# KiCad board conceptpcb.kicad_pcb (continued)
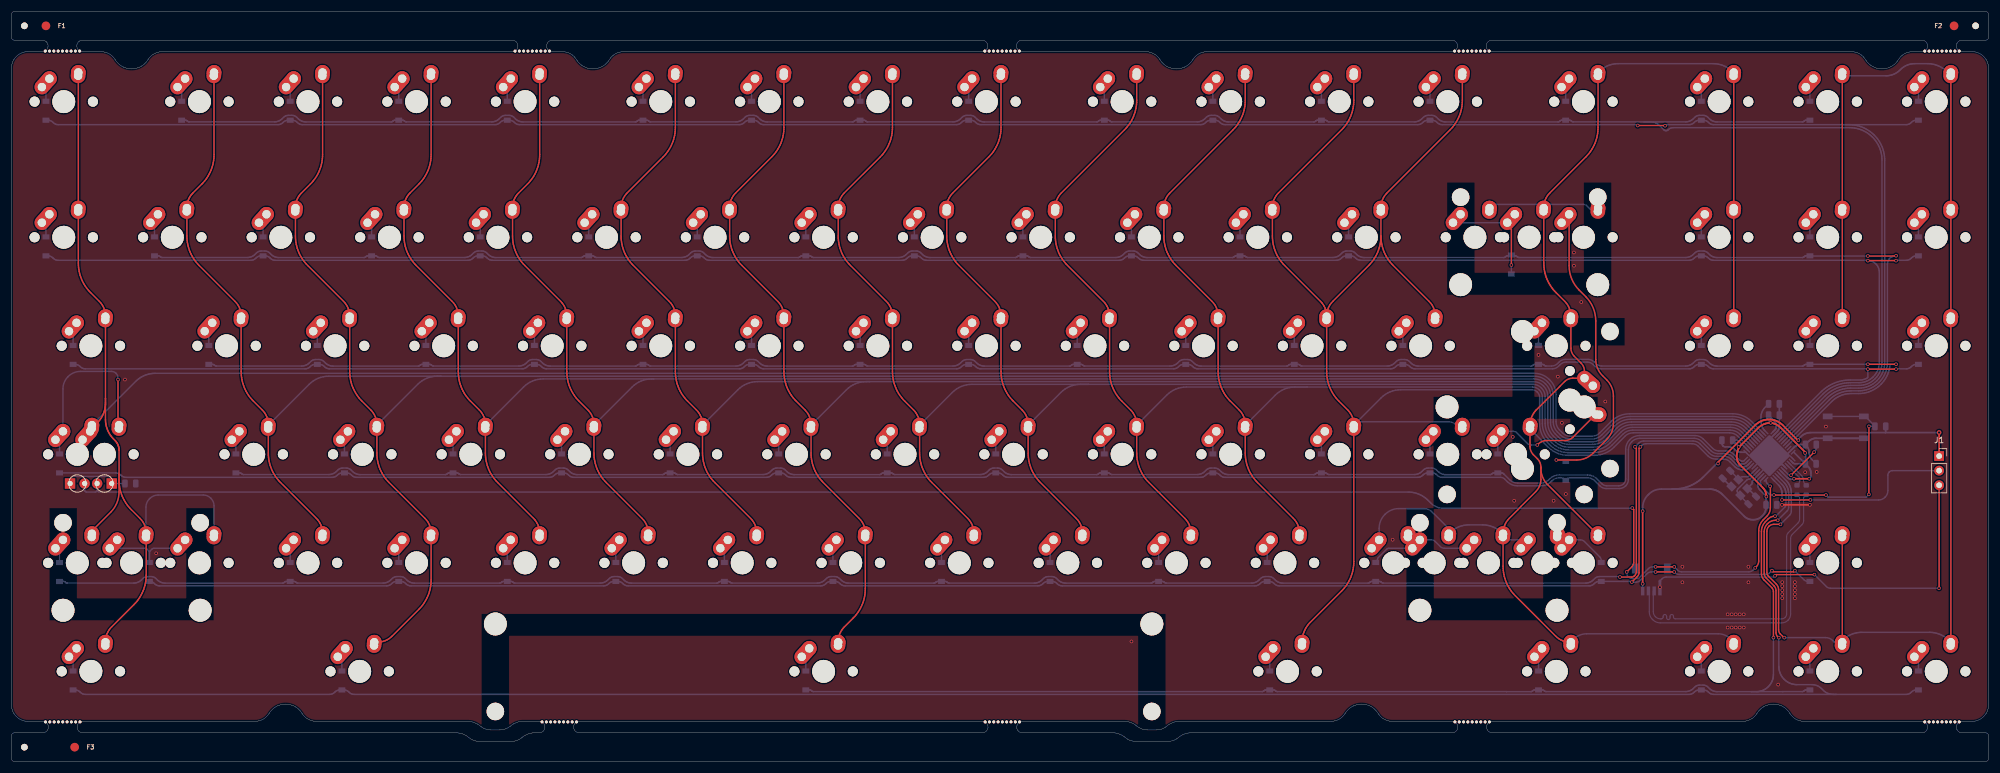
[diagram p0: board, top side]
## Routing (per net, layer and track width the routed paths; a pad name or vN(x,y) marks a point on that pad's centre or on a via; arc(x,y) is an arc through that point) (continued)
row5: length 325.6
  Top w0.25: v1(323.22,69.19) v1(328.13,69.19)
  Bottom w0.25: v1(323.22,69.19) 313.15,69.19 ; v1(328.13,69.19) 327.09,69.19 327.05,68.84 326.99,68.49 326.91,68.14 326.8,67.8 326.68,67.47 326.53,67.14 326.36,66.83 326.18,66.53 325.97,66.24 325.74,65.97 325.5,65.71 325.47,65.67 325.21,65.43 324.94,65.21 324.65,65 324.35,64.81 324.03,64.64 323.71,64.5 323.38,64.37 323.04,64.27 322.69,64.19 322.34,64.13 321.98,64.1 321.63,64.08 320.31,64.08 320.07,64.08 319.83,64.06 319.6,64.03 319.36,63.99 319.13,63.94 318.9,63.88 318.68,63.8 318.46,63.72 318.24,63.62 318.03,63.51 317.82,63.4 317.62,63.27 317.43,63.13 317.24,62.99 317.06,62.83 316.89,62.67 U1.41 ; D51.1 312.48,69.17 312.38,69.16 312.29,69.13 312.21,69.08 312.13,69.02 312.12,69.01 312.04,68.95 311.96,68.9 311.87,68.87 311.78,68.87 296.98,68.87 296.79,68.87 296.6,68.9 296.41,68.95 296.24,69.01 296.07,69.09 295.9,69.19 295.75,69.3 295.61,69.43 295.38,69.66 295.2,69.81 294.99,69.92 294.77,69.99 294.53,70.01 293.92,70.01 293.69,69.99 293.46,69.92 293.25,69.81 293.07,69.66 292.85,69.44 292.71,69.31 292.56,69.2 292.4,69.1 292.22,69.02 292.05,68.96 291.86,68.91 291.67,68.88 291.49,68.88 276.9,68.88 arc(276.33,68.99) 275.84,69.31 275.56,69.6 arc(275.07,69.92) 274.5,70.04 270.54,70.04 arc(269.97,69.92) 269.48,69.6 269.2,69.31 arc(268.71,68.99) 268.14,68.88 267.22,68.88 267.12,68.88 267.03,68.91 266.95,68.96 266.87,69.02 266.87,69.02 266.79,69.08 266.71,69.13 266.62,69.16 266.53,69.17 D49.1 265.23,69.17 265.13,69.16 265.04,69.13 264.96,69.08 264.88,69.02 264.87,69.01 264.79,68.95 264.71,68.9 264.62,68.87 264.53,68.87 245,68.87 244.81,68.87 244.62,68.9 244.44,68.95 244.26,69.01 244.09,69.09 243.93,69.19 243.78,69.3 243.63,69.43 243.41,69.66 243.23,69.81 243.02,69.92 242.79,69.99 242.56,70.01 241.95,70.01 241.71,69.99 241.48,69.92 241.28,69.81 241.09,69.66 240.88,69.44 240.74,69.31 240.58,69.2 240.42,69.1 240.25,69.02 240.07,68.96 239.89,68.91 239.7,68.88 239.51,68.88 224.69,68.88 224.6,68.88 224.51,68.91 224.42,68.96 224.35,69.02 224.34,69.02 224.27,69.08 224.19,69.13 224.09,69.16 224,69.17 D47.1 222.7,69.17 222.61,69.16 222.52,69.13 222.43,69.08 222.36,69.02 222.34,69.01 222.27,68.95 222.19,68.9 222.09,68.87 222,68.87 207.2,68.87 207.01,68.87 206.82,68.9 206.64,68.95 206.46,69.01 206.29,69.09 206.13,69.19 205.98,69.3 205.83,69.43 205.61,69.66 205.43,69.81 205.22,69.92 204.99,69.99 204.76,70.01 204.15,70.01 203.91,69.99 203.68,69.92 203.48,69.81 203.29,69.66 203.08,69.44 202.94,69.31 202.78,69.2 202.62,69.1 202.45,69.02 202.27,68.96 202.09,68.91 201.9,68.88 201.71,68.88 186.89,68.88 186.8,68.88 186.71,68.91 186.62,68.96 186.55,69.02 186.54,69.02 186.47,69.08 186.39,69.13 186.29,69.16 186.2,69.17 D45.1 184.9,69.17 184.81,69.16 184.72,69.13 184.63,69.08 184.56,69.02 184.54,69.01 184.47,68.95 184.39,68.9 184.29,68.87 184.2,68.87 169.4,68.87 169.21,68.87 169.02,68.9 168.84,68.95 168.66,69.01 168.49,69.09 168.33,69.19 168.18,69.3 168.03,69.43 167.81,69.66 167.63,69.81 167.42,69.92 167.19,69.99 166.96,70.01 166.35,70.01 166.11,69.99 165.88,69.92 165.68,69.81 165.49,69.66 165.28,69.44 165.14,69.31 164.98,69.2 164.82,69.1 164.65,69.02 164.47,68.96 164.29,68.91 164.1,68.88 163.91,68.88 149.09,68.88 149,68.88 148.91,68.91 148.82,68.96 148.75,69.02 148.74,69.02 148.67,69.08 148.59,69.13 148.49,69.16 148.4,69.17 D43.1 147.1,69.17 147.01,69.16 146.92,69.13 146.83,69.08 146.76,69.02 146.74,69.01 146.67,68.95 146.59,68.9 146.49,68.87 146.4,68.87 131.6,68.87 131.41,68.87 131.22,68.9 131.04,68.95 130.86,69.01 130.69,69.09 130.53,69.19 130.38,69.3 130.23,69.43 130.01,69.66 129.83,69.81 129.62,69.92 129.39,69.99 129.16,70.01 128.55,70.01 128.31,69.99 128.08,69.92 127.88,69.81 127.69,69.66 127.48,69.44 127.34,69.31 127.18,69.2 127.02,69.1 126.85,69.02 126.67,68.96 126.49,68.91 126.3,68.88 126.11,68.88 111.29,68.88 111.2,68.88 111.11,68.91 111.02,68.96 110.95,69.02 110.94,69.02 110.87,69.08 110.79,69.13 110.69,69.16 110.6,69.17 D41.1 109.3,69.17 109.21,69.16 109.12,69.13 109.03,69.08 108.96,69.02 108.94,69.01 108.87,68.95 108.79,68.9 108.69,68.87 108.6,68.87 93.8,68.87 93.61,68.87 93.42,68.9 93.24,68.95 93.06,69.01 92.89,69.09 92.73,69.19 92.58,69.3 92.43,69.43 92.21,69.66 92.03,69.81 91.82,69.92 91.59,69.99 91.36,70.01 90.75,70.01 90.51,69.99 90.28,69.92 90.08,69.81 89.89,69.66 89.68,69.44 89.54,69.31 89.38,69.2 89.22,69.1 89.05,69.02 88.87,68.96 88.69,68.91 88.5,68.88 88.31,68.88 73.49,68.88 73.4,68.88 73.31,68.91 73.22,68.96 73.15,69.02 73.14,69.02 73.07,69.08 72.99,69.13 72.89,69.16 72.8,69.17 D39.1 71.5,69.17 71.41,69.16 71.32,69.13 71.23,69.08 71.16,69.02 71.14,69.01 71.07,68.95 70.99,68.9 70.89,68.87 70.8,68.87 56,68.87 55.81,68.87 55.62,68.9 55.44,68.95 55.26,69.01 55.09,69.09 54.93,69.19 54.78,69.3 54.63,69.43 54.41,69.66 54.23,69.81 54.02,69.92 53.79,69.99 53.56,70.01 52.95,70.01 52.71,69.99 52.48,69.92 52.28,69.81 52.09,69.66 51.88,69.44 51.74,69.31 51.58,69.2 51.42,69.1 51.25,69.02 51.07,68.96 50.89,68.91 50.7,68.88 50.51,68.88 35.69,68.88 35.6,68.88 35.51,68.91 35.42,68.96 35.35,69.02 35.34,69.02 35.27,69.08 35.19,69.13 35.09,69.16 35,69.17 D37.1
row6: length 302.8
  Bottom w0.25: 208.83,50.27 208.59,50.24 208.36,50.17 208.15,50.06 207.97,49.91 207.9,49.84 207.72,49.69 207.51,49.58 207.29,49.51 207.05,49.49 173.5,49.49 173.27,49.51 173.04,49.58 172.83,49.69 172.65,49.84 172.58,49.91 172.4,50.06 172.19,50.17 171.96,50.24 171.73,50.27 ; 133.23,50.27 132.99,50.24 132.76,50.17 132.55,50.06 132.37,49.91 132.3,49.84 132.12,49.69 131.91,49.58 131.69,49.51 131.45,49.49 97.9,49.49 97.67,49.51 97.44,49.58 97.23,49.69 97.05,49.84 96.98,49.91 96.8,50.06 96.59,50.17 96.36,50.24 96.13,50.27 ; D53.1 18.16,50.27 18.4,50.24 18.63,50.17 18.83,50.06 19.02,49.91 19.08,49.84 19.27,49.69 19.48,49.58 19.7,49.51 19.94,49.49 55.85,49.49 56.09,49.51 56.31,49.58 56.52,49.69 56.7,49.84 56.77,49.91 56.95,50.06 57.16,50.17 57.39,50.24 57.63,50.27 ; 246.63,50.27 246.39,50.24 246.16,50.17 245.95,50.06 245.77,49.91 245.7,49.84 245.52,49.69 245.31,49.58 245.09,49.51 244.85,49.49 211.3,49.49 211.07,49.51 210.84,49.58 210.63,49.69 210.45,49.84 210.38,49.91 210.2,50.06 209.99,50.17 209.76,50.24 209.53,50.27 ; 133.93,50.27 134.16,50.24 134.39,50.17 134.6,50.06 134.78,49.91 134.85,49.84 135.03,49.69 135.24,49.58 135.47,49.51 135.7,49.49 169.25,49.49 169.49,49.51 169.71,49.58 169.92,49.69 170.1,49.84 170.17,49.91 170.35,50.06 170.56,50.17 170.79,50.24 171.03,50.27 ; 247.33,50.27 247.56,50.24 247.79,50.17 248,50.06 248.18,49.91 248.25,49.84 248.43,49.69 248.64,49.58 248.87,49.51 249.1,49.49 259.27,49.49 arc(259.65,49.41) 259.98,49.2 260.46,48.72 arc(261.24,48.2) 262.16,48.01 266.32,48.01 arc(267.24,48.2) 268.02,48.72 268.15,48.85 arc(268.8,49.28) 269.57,49.44 269.75,49.44 arc(270.13,49.36) 270.46,49.14 ; U1.21 302.06,52.08 301.91,51.96 301.75,51.87 301.57,51.82 301.38,51.8 301.32,51.8 301.13,51.82 300.95,51.87 300.78,51.96 300.63,52.08 299.64,53.08 arc(299.04,53.48) 298.33,53.62 297.1,53.62 arc(296.45,53.75) 295.9,54.12 294.27,55.75 arc(293.67,56.15) 292.96,56.29 283.53,56.29 arc(282.76,56.14) 282.11,55.7 282.11,55.7 arc(281.67,55.05) 281.52,54.28 281.52,49.11 arc(281.41,48.54) 281.08,48.05 281.02,47.98 arc(280.53,47.66) 279.95,47.54 277.65,47.54 arc(277.07,47.66) 276.59,47.98 275.72,48.85 arc(275.07,49.28) 274.3,49.44 271.51,49.44 arc(271.13,49.36) 270.81,49.14 ; 58.33,50.27 58.56,50.24 58.79,50.17 59,50.06 59.18,49.91 59.25,49.84 59.43,49.69 59.64,49.58 59.87,49.51 60.1,49.49 93.65,49.49 93.89,49.51 94.11,49.58 94.32,49.69 94.5,49.84 94.57,49.91 94.75,50.06 94.96,50.17 95.19,50.24 95.43,50.27
row7: length 277.9
  Bottom w0.25: D54.1 39.73,50.27 39.82,50.26 39.91,50.23 39.99,50.18 40.07,50.12 40.07,50.12 40.15,50.06 40.23,50.01 40.32,49.98 40.42,49.97 55.23,49.97 55.42,49.98 55.61,50.01 55.8,50.06 55.97,50.12 56.15,50.2 56.31,50.3 56.46,50.41 56.6,50.54 56.82,50.76 57,50.91 57.21,51.02 57.44,51.09 57.67,51.11 58.28,51.11 58.52,51.09 58.74,51.02 58.95,50.91 59.13,50.76 59.36,50.53 59.5,50.4 59.65,50.29 59.82,50.19 59.99,50.11 60.16,50.05 60.35,50 60.54,49.97 60.73,49.97 75.53,49.97 75.62,49.97 75.71,50 75.79,50.05 75.87,50.11 75.88,50.12 75.96,50.18 76.04,50.23 76.13,50.26 76.23,50.27 D56.1 77.53,50.27 77.62,50.26 77.71,50.23 77.79,50.18 77.87,50.12 77.87,50.12 77.95,50.06 78.03,50.01 78.12,49.98 78.22,49.97 93.03,49.97 93.22,49.98 93.41,50.01 93.6,50.06 93.77,50.12 93.95,50.2 94.11,50.3 94.26,50.41 94.4,50.54 94.62,50.76 94.8,50.91 95.01,51.02 95.24,51.09 95.47,51.11 96.08,51.11 96.32,51.09 96.54,51.02 96.75,50.91 96.93,50.76 97.16,50.53 97.3,50.4 97.45,50.29 97.62,50.19 97.79,50.11 97.96,50.05 98.15,50 98.34,49.97 98.53,49.97 113.33,49.97 113.42,49.97 113.51,50 113.59,50.05 113.67,50.11 113.68,50.12 113.76,50.18 113.84,50.23 113.93,50.26 114.03,50.27 D58.1 115.33,50.27 115.42,50.26 115.51,50.23 115.59,50.18 115.67,50.12 115.67,50.12 115.75,50.06 115.83,50.01 115.92,49.98 116.02,49.97 130.84,49.97 131.02,49.98 131.21,50.01 131.4,50.06 131.57,50.12 131.75,50.2 131.91,50.3 132.06,50.41 132.2,50.54 132.42,50.76 132.6,50.91 132.81,51.02 133.04,51.09 133.27,51.11 133.88,51.11 134.12,51.09 134.34,51.02 134.55,50.91 134.73,50.76 134.96,50.53 135.1,50.4 135.25,50.29 135.42,50.19 135.59,50.11 135.76,50.05 135.95,50 136.14,49.97 136.33,49.97 151.13,49.97 151.22,49.97 151.31,50 151.39,50.05 151.47,50.11 151.48,50.12 151.56,50.18 151.64,50.23 151.73,50.26 151.83,50.27 D60.1 153.13,50.27 153.22,50.26 153.31,50.23 153.39,50.18 153.47,50.12 153.47,50.12 153.55,50.06 153.63,50.01 153.72,49.98 153.82,49.97 168.63,49.97 168.82,49.98 169.01,50.01 169.2,50.06 169.37,50.12 169.55,50.2 169.71,50.3 169.86,50.41 170,50.54 170.22,50.76 170.4,50.91 170.61,51.02 170.84,51.09 171.07,51.11 171.68,51.11 171.92,51.09 172.14,51.02 172.35,50.91 172.53,50.76 172.76,50.53 172.9,50.4 173.05,50.29 173.22,50.19 173.39,50.11 173.56,50.05 173.75,50 173.94,49.97 174.13,49.97 188.93,49.97 189.02,49.97 189.11,50 189.19,50.05 189.27,50.11 189.28,50.12 189.36,50.18 189.44,50.23 189.53,50.26 189.63,50.27 D62.1 190.93,50.27 191.02,50.26 191.11,50.23 191.19,50.18 191.27,50.12 191.27,50.12 191.35,50.06 191.43,50.01 191.52,49.98 191.62,49.97 206.44,49.97 206.62,49.98 206.81,50.01 207,50.06 207.17,50.12 207.35,50.2 207.51,50.3 207.66,50.41 207.8,50.54 208.02,50.76 208.2,50.91 208.41,51.02 208.64,51.09 208.87,51.11 209.48,51.11 209.72,51.09 209.94,51.02 210.15,50.91 210.33,50.76 210.56,50.53 210.7,50.4 210.85,50.29 211.02,50.19 211.19,50.11 211.36,50.05 211.55,50 211.74,49.97 211.93,49.97 226.73,49.97 226.82,49.97 226.91,50 226.99,50.05 227.07,50.11 227.08,50.12 227.16,50.18 227.24,50.23 227.33,50.26 227.43,50.27 D64.1 228.73,50.27 228.82,50.26 228.91,50.23 228.99,50.18 229.07,50.12 229.07,50.12 229.15,50.06 229.23,50.01 229.32,49.98 229.42,49.97 244.23,49.97 244.42,49.98 244.61,50.01 244.8,50.06 244.97,50.12 245.15,50.2 245.31,50.3 245.46,50.41 245.6,50.54 245.82,50.76 246,50.91 246.21,51.02 246.44,51.09 246.67,51.11 247.28,51.11 247.52,51.09 247.74,51.02 247.95,50.91 248.13,50.76 248.36,50.53 248.5,50.4 248.65,50.29 248.82,50.19 248.99,50.11 249.16,50.05 249.35,50 249.54,49.97 249.73,49.97 257.44,49.97 257.53,49.97 257.62,50 257.71,50.05 257.78,50.11 257.8,50.12 257.87,50.18 257.95,50.23 258.04,50.26 258.14,50.27 D65.1 259.44,50.27 259.53,50.26 259.62,50.23 259.71,50.18 259.78,50.12 259.79,50.12 259.86,50.06 260.84,49.07 arc(261.49,48.64) 262.26,48.49 266.25,48.49 arc(267.02,48.64) 267.67,49.07 267.8,49.21 arc(268.58,49.73) 269.5,49.91 274.37,49.91 arc(275.29,49.73) 276.07,49.21 276.91,48.37 arc(277.3,48.11) 277.76,48.01 279.84,48.01 arc(280.3,48.11) 280.69,48.37 280.7,48.37 arc(280.96,48.76) 281.05,49.22 281.05,54.36 arc(281.23,55.27) 281.75,56.05 281.77,56.07 arc(282.55,56.59) 283.46,56.77 293.13,56.77 arc(293.9,56.62) 294.55,56.18 296.18,54.55 arc(296.69,54.21) 297.28,54.09 298.46,54.09 arc(299.22,53.94) 299.87,53.51 300.79,52.59 300.95,52.45 301.14,52.35 301.34,52.29 301.61,52.32
row8: length 335
  Top w0.25: v1(283.62,54.8) 283.38,54.57 283.38,32.92 arc(283.3,32.54) 283.09,32.21 v1(282.12,31.24) ; v1(289.5,33.02) v1(286.25,33.02) ; v1(306.51,33.23) 306.71,33.03 310.31,33.03 v1(310.51,33.23)
  Bottom w0.25: 218.28,31.37 218.04,31.34 217.81,31.27 217.6,31.16 217.42,31.01 217.35,30.94 217.17,30.79 216.96,30.68 216.74,30.61 216.5,30.59 182.95,30.59 182.72,30.61 182.49,30.68 182.28,30.79 182.1,30.94 182.03,31.01 181.85,31.16 181.64,31.27 181.41,31.34 181.18,31.37 ; D67.1 24.25,31.34 24.47,31.27 24.68,31.16 24.87,31.01 24.93,30.94 25.12,30.79 25.33,30.68 25.55,30.61 25.79,30.59 65.3,30.59 65.54,30.61 65.76,30.68 65.97,30.79 66.15,30.94 66.22,31.01 66.4,31.16 66.61,31.27 66.84,31.34 67.08,31.37 ; v1(306.51,33.23) 306.15,32.87 arc(305.82,32.66) 305.44,32.58 290.35,32.58 arc(289.97,32.66) 289.64,32.87 v1(289.5,33.02) ; 218.98,31.37 219.21,31.34 219.44,31.27 219.65,31.16 219.83,31.01 219.9,30.94 220.08,30.79 220.29,30.68 220.52,30.61 220.75,30.59 274.68,30.59 274.91,30.61 275.14,30.68 275.35,30.79 275.53,30.94 275.6,31.01 275.78,31.16 275.99,31.27 276.22,31.34 276.45,31.37 ; D79.1 282,31.37 v1(282.12,31.24) 282.88,31.24 arc(283.27,31.32) 283.59,31.54 284.78,32.72 arc(285.1,32.94) 285.49,33.02 v1(286.25,33.02) ; 143.38,31.37 143.61,31.34 143.84,31.27 144.05,31.16 144.23,31.01 144.3,30.94 144.48,30.79 144.69,30.68 144.92,30.61 145.15,30.59 178.7,30.59 178.94,30.61 179.16,30.68 179.37,30.79 179.55,30.94 179.62,31.01 179.8,31.16 180.01,31.27 180.24,31.34 180.48,31.37 ; U1.19 302.69,51.29 302.56,51.18 302.43,51.08 302.29,51 302.14,50.93 301.98,50.87 301.82,50.83 301.66,50.81 301.49,50.8 301.39,50.8 301.2,50.81 301.02,50.84 300.83,50.88 300.65,50.95 300.48,51.03 300.32,51.12 300.17,51.24 300.03,51.36 299.17,52.22 arc(298.67,52.55) 298.08,52.67 296.76,52.67 arc(295.99,52.82) 295.34,53.26 293.7,54.9 arc(293.2,55.23) 292.61,55.35 284.58,55.35 arc(284.2,55.27) 283.87,55.06 283.62,54.8 ; 142.68,31.37 142.44,31.34 142.21,31.27 142,31.16 141.82,31.01 141.75,30.94 141.57,30.79 141.36,30.68 141.14,30.61 140.9,30.59 107.35,30.59 107.12,30.61 106.89,30.68 106.68,30.79 106.5,30.94 106.43,31.01 106.25,31.16 106.04,31.27 105.81,31.34 105.58,31.37 ; v1(310.51,33.23) 312.08,31.66 arc(312.41,31.44) 312.79,31.37 ; 67.78,31.37 68.01,31.34 68.24,31.27 68.45,31.16 68.63,31.01 68.7,30.94 68.88,30.79 69.09,30.68 69.32,30.61 69.55,30.59 103.1,30.59 103.34,30.61 103.56,30.68 103.77,30.79 103.95,30.94 104.02,31.01 104.2,31.16 104.41,31.27 104.64,31.34 104.88,31.37
row9: length 324.5
  Top w0.25: v1(280.05,32.13) 282.08,32.13 arc(282.35,32.18) 282.57,32.33 282.61,32.38 arc(282.83,32.7) 282.91,33.08 282.91,54.57 v1(282.67,54.8)
  Bottom w0.25: 8.39,31.37 9.04,31.37 9.13,31.36 9.23,31.33 9.31,31.28 9.38,31.22 9.39,31.22 9.46,31.16 9.55,31.11 9.64,31.08 9.73,31.08 21.27,31.08 21.46,31.08 21.65,31.11 21.83,31.16 22.01,31.22 22.18,31.3 22.34,31.4 22.5,31.51 22.64,31.64 22.85,31.86 23.04,32.01 23.25,32.12 23.47,32.19 23.71,32.21 24.32,32.21 24.55,32.19 24.78,32.12 24.99,32.01 25.17,31.86 25.4,31.63 25.54,31.5 25.69,31.39 25.85,31.29 26.02,31.21 26.2,31.15 26.39,31.1 26.57,31.07 26.76,31.07 47.18,31.07 47.27,31.07 47.36,31.1 47.44,31.15 47.52,31.21 47.53,31.22 47.61,31.28 47.69,31.33 47.78,31.36 47.88,31.37 D68.1 49.18,31.37 49.27,31.36 49.36,31.33 49.44,31.28 49.52,31.22 49.52,31.22 49.6,31.16 49.68,31.11 49.77,31.08 49.87,31.08 64.69,31.08 64.87,31.08 65.06,31.11 65.25,31.16 65.42,31.22 65.6,31.3 65.76,31.4 65.91,31.51 66.05,31.64 66.27,31.86 66.45,32.01 66.66,32.12 66.89,32.19 67.12,32.21 67.73,32.21 67.97,32.19 68.19,32.12 68.4,32.01 68.58,31.86 68.81,31.63 68.95,31.5 69.1,31.39 69.27,31.29 69.44,31.21 69.61,31.15 69.8,31.1 69.99,31.07 70.18,31.07 84.98,31.07 85.07,31.07 85.16,31.1 85.24,31.15 85.32,31.21 85.33,31.22 85.41,31.28 85.49,31.33 85.58,31.36 85.68,31.37 D70.1 86.98,31.37 87.07,31.36 87.16,31.33 87.24,31.28 87.32,31.22 87.32,31.22 87.4,31.16 87.48,31.11 87.57,31.08 87.67,31.08 102.48,31.08 102.67,31.08 102.86,31.11 103.05,31.16 103.22,31.22 103.4,31.3 103.56,31.4 103.71,31.51 103.85,31.64 104.07,31.86 104.25,32.01 104.46,32.12 104.69,32.19 104.92,32.21 105.53,32.21 105.77,32.19 105.99,32.12 106.2,32.01 106.38,31.86 106.61,31.63 106.75,31.5 106.9,31.39 107.07,31.29 107.24,31.21 107.41,31.15 107.6,31.1 107.79,31.07 107.98,31.07 122.78,31.07 122.87,31.07 122.96,31.1 123.04,31.15 123.12,31.21 123.13,31.22 123.21,31.28 123.29,31.33 123.38,31.36 123.48,31.37 D72.1 124.78,31.37 124.87,31.36 124.96,31.33 125.04,31.28 125.12,31.22 125.12,31.22 125.2,31.16 125.28,31.11 125.37,31.08 125.47,31.08 140.28,31.08 140.47,31.08 140.66,31.11 140.85,31.16 141.02,31.22 141.2,31.3 141.36,31.4 141.51,31.51 141.65,31.64 141.87,31.86 142.05,32.01 142.26,32.12 142.49,32.19 142.72,32.21 143.33,32.21 143.57,32.19 143.79,32.12 144,32.01 144.18,31.86 144.41,31.63 144.55,31.5 144.7,31.39 144.87,31.29 145.04,31.21 145.21,31.15 145.4,31.1 145.59,31.07 145.78,31.07 160.58,31.07 160.67,31.07 160.76,31.1 160.84,31.15 160.92,31.21 160.93,31.22 161.01,31.28 161.09,31.33 161.18,31.36 161.28,31.37 D74.1 162.58,31.37 162.67,31.36 162.76,31.33 162.84,31.28 162.92,31.22 162.92,31.22 163,31.16 163.08,31.11 163.17,31.08 163.27,31.08 178.09,31.08 178.27,31.08 178.46,31.11 178.65,31.16 178.82,31.22 179,31.3 179.16,31.4 179.31,31.51 179.45,31.64 179.67,31.86 179.85,32.01 180.06,32.12 180.29,32.19 180.52,32.21 181.13,32.21 181.37,32.19 181.59,32.12 181.8,32.01 181.98,31.86 182.21,31.63 182.35,31.5 182.5,31.39 182.67,31.29 182.84,31.21 183.01,31.15 183.2,31.1 183.39,31.07 183.58,31.07 198.38,31.07 198.47,31.07 198.56,31.1 198.64,31.15 198.72,31.21 198.73,31.22 198.81,31.28 198.89,31.33 198.98,31.36 199.08,31.37 D76.1 200.38,31.37 200.47,31.36 200.56,31.33 200.64,31.28 200.72,31.22 200.72,31.22 200.8,31.16 200.88,31.11 200.97,31.08 201.07,31.08 215.88,31.08 216.07,31.08 216.26,31.11 216.45,31.16 216.62,31.22 216.8,31.3 216.96,31.4 217.11,31.51 217.25,31.64 217.47,31.86 217.65,32.01 217.86,32.12 218.09,32.19 218.32,32.21 218.93,32.21 219.17,32.19 219.39,32.12 219.6,32.01 219.78,31.86 220.01,31.63 220.15,31.5 220.3,31.39 220.47,31.29 220.64,31.21 220.81,31.15 221,31.1 221.19,31.07 221.38,31.07 236.18,31.07 236.27,31.07 236.36,31.1 236.44,31.15 236.52,31.21 236.53,31.22 236.61,31.28 236.69,31.33 236.78,31.36 236.88,31.37 D78.1 238.18,31.37 238.27,31.36 238.36,31.33 238.44,31.28 238.52,31.22 238.52,31.22 238.6,31.16 238.68,31.11 238.77,31.08 238.87,31.08 274.06,31.08 274.25,31.08 274.44,31.11 274.62,31.16 274.8,31.22 274.97,31.3 275.13,31.4 275.29,31.51 275.43,31.64 275.64,31.86 275.83,32.01 276.04,32.12 276.26,32.19 276.5,32.21 279.97,32.21 v1(280.05,32.13) ; U1.20 302.36,51.67 302.26,51.59 302.16,51.51 302.05,51.44 301.93,51.39 301.81,51.34 301.68,51.31 301.55,51.29 301.42,51.28 301.27,51.29 301.11,51.31 300.96,51.35 300.82,51.4 300.68,51.47 300.55,51.55 300.42,51.64 300.31,51.74 299.41,52.65 arc(298.85,53.02) 298.2,53.15 296.93,53.15 arc(296.22,53.29) 295.62,53.69 293.99,55.32 arc(293.44,55.69) 292.79,55.82 284.18,55.82 arc(283.73,55.73) 283.34,55.47 282.67,54.8
row10: length 370
  Top w0.25: v1(307.72,21.58) 307.66,21.58 307.52,21.72 arc(307.3,22.05) 307.23,22.43 307.23,29.75 arc(307.13,30.21) 306.87,30.6 305.51,31.96 arc(305.25,32.35) 305.16,32.81 305.16,40.01 arc(305.31,40.77) 305.75,41.42 305.76,41.43 arc(306.41,41.87) 307.17,42.02 v1(307.53,42.02)
  Bottom w0.25: 57.18,12.47 56.94,12.44 56.71,12.37 56.5,12.26 56.32,12.11 56.25,12.04 56.07,11.89 55.86,11.78 55.64,11.71 55.4,11.69 12.85,11.69 12.62,11.71 12.39,11.78 12.18,11.89 12,12.04 11.93,12.11 11.75,12.26 11.54,12.37 11.31,12.44 11.08,12.47 ; v1(307.72,21.58) 307.72,16.54 307.72,16.39 307.74,16.24 307.75,16.08 307.78,15.93 307.81,15.78 307.86,15.63 307.9,15.49 307.96,15.34 308.02,15.2 308.09,15.06 308.17,14.93 308.25,14.8 308.34,14.67 308.43,14.55 308.53,14.43 308.64,14.32 308.65,14.31 308.77,14.2 308.88,14.1 309,14.01 309.13,13.92 309.26,13.84 309.39,13.76 309.53,13.69 309.67,13.63 309.82,13.57 309.96,13.52 310.11,13.48 310.26,13.45 310.41,13.42 310.57,13.4 310.72,13.39 310.87,13.39 313.47,13.39 313.7,13.38 313.94,13.34 314.17,13.28 314.39,13.2 314.6,13.1 314.81,12.98 315,12.84 315.17,12.68 315.46,12.4 315.63,12.24 315.82,12.1 316.03,11.98 316.24,11.87 316.46,11.79 316.69,11.74 316.93,11.7 317.16,11.69 317.68,11.69 ; 331.68,12.47 331.44,12.44 331.21,12.37 331,12.26 330.82,12.11 330.75,12.04 330.57,11.89 330.36,11.78 330.14,11.71 329.9,11.69 317.68,11.69 ; 317.68,11.69 296.35,11.69 296.12,11.71 295.89,11.78 295.68,11.89 295.5,12.04 295.43,12.11 295.25,12.26 295.04,12.37 294.81,12.44 294.58,12.47 ; 57.88,12.47 58.11,12.44 58.34,12.37 58.55,12.26 58.73,12.11 58.8,12.04 58.98,11.89 59.19,11.78 59.42,11.71 59.65,11.69 292.1,11.69 292.34,11.71 292.56,11.78 292.77,11.89 292.95,12.04 293.02,12.11 293.2,12.26 293.41,12.37 293.64,12.44 293.88,12.47 ; U1.9 308.61,48.62 308.7,48.52 308.79,48.42 308.87,48.31 308.95,48.2 309.03,48.09 309.09,47.97 309.15,47.85 309.21,47.72 309.26,47.6 309.3,47.47 309.34,47.34 309.37,47.2 309.39,47.07 309.41,46.93 309.42,46.8 309.42,46.66 309.42,44.24 arc(309.36,43.94) 309.19,43.68 v1(307.53,42.02)
row11: length 219.4
  Top w0.25: v1(307.05,42.73) 307.01,42.73 arc(306.39,42.61) 305.88,42.26 305.39,41.77 arc(304.87,41) 304.69,40.08 304.69,32.65 arc(304.79,32.12) 305.1,31.66 306.48,30.28 arc(306.7,29.95) 306.78,29.57 v1(306.78,21.58)
  Bottom w0.25: 302.93,12.17 303.81,12.17 303.95,12.17 304.09,12.18 304.23,12.2 304.37,12.22 304.51,12.25 304.65,12.29 304.79,12.33 304.92,12.39 305.05,12.44 305.18,12.51 305.3,12.58 305.42,12.65 305.54,12.74 305.65,12.82 305.76,12.92 305.86,13.01 305.93,13.08 306.02,13.19 306.12,13.29 306.2,13.41 306.29,13.52 306.36,13.64 306.43,13.77 306.5,13.89 306.55,14.02 306.61,14.15 306.65,14.29 306.69,14.43 306.72,14.57 306.74,14.71 306.76,14.85 306.77,14.99 306.78,15.13 v1(306.78,21.58) ; 302.93,12.17 296.98,12.17 296.79,12.17 296.6,12.2 296.41,12.25 296.24,12.31 296.07,12.39 295.9,12.49 295.75,12.6 295.61,12.73 295.38,12.96 295.2,13.11 294.99,13.22 294.77,13.29 294.53,13.31 293.92,13.31 293.69,13.29 293.46,13.22 293.25,13.11 293.07,12.96 292.85,12.74 292.71,12.61 292.56,12.5 292.4,12.4 292.22,12.32 292.05,12.26 291.86,12.21 291.67,12.18 291.49,12.17 267.22,12.17 267.12,12.18 267.03,12.21 266.95,12.26 266.87,12.32 266.87,12.32 266.79,12.38 266.71,12.43 266.62,12.46 266.53,12.47 D87.1 265.23,12.47 265.13,12.46 265.04,12.43 264.96,12.38 264.88,12.32 264.87,12.31 264.79,12.25 264.71,12.2 264.62,12.17 264.53,12.17 260.32,12.17 260.31,12.17 220.42,12.17 220.32,12.18 220.23,12.21 220.15,12.26 220.07,12.32 220.07,12.32 219.99,12.38 219.91,12.43 219.82,12.46 219.73,12.47 D85.1 218.43,12.47 218.33,12.46 218.24,12.43 218.16,12.38 218.08,12.32 218.08,12.32 218,12.26 217.92,12.21 217.83,12.18 217.73,12.17 139.64,12.17 139.55,12.18 139.46,12.21 139.37,12.26 139.3,12.32 139.29,12.32 139.22,12.38 139.14,12.43 139.04,12.46 138.95,12.47 D84.1 ; 302.93,12.17 308.41,12.17 308.42,12.17 311.79,12.17 311.88,12.18 311.97,12.21 312.05,12.26 312.13,12.32 312.13,12.32 312.21,12.38 312.29,12.43 312.38,12.46 312.48,12.47 D89.1 ; U1.10 308.24,48.28 308.32,48.2 308.4,48.11 308.47,48.01 308.54,47.92 308.61,47.82 308.66,47.71 308.72,47.61 308.76,47.5 308.81,47.39 308.84,47.28 308.88,47.16 308.9,47.05 308.92,46.93 308.94,46.81 308.95,46.69 308.95,46.58 308.95,44.74 arc(308.9,44.51) 308.77,44.31 307.19,42.73 v1(307.05,42.73)
XTAL1: length 5.7
  Bottom w0.25: Y1.2 301.01,49.45 arc(301.18,49.56) 301.37,49.6 302.2,49.6 arc(302.39,49.64) 302.55,49.75 U1.17 ; 300.67,49.23 C1.1
XTAL2: length 8.1
  Bottom w0.25: U1.16 302.78,49.27 arc(302.65,49.18) 302.5,49.15 302.43,49.15 arc(302.28,49.12) 302.15,49.03 300.6,47.48 arc(300.49,47.32) 300.45,47.13 300.45,47.12 arc(300.49,46.93) 300.6,46.77 Y1.4 ; 301.02,46.22 C2.1
Net-(D1-A): length 325.8
  Top w0.25: v1(281.23,33.02) 282.16,33.95 arc(282.38,34.27) 282.46,34.65 282.46,43.89 v1(282.2,44.15) ; v1(289.5,33.9) v1(286.25,33.9) ; v1(303.61,33.73) 303.8,33.93 arc(304.11,34.38) 304.21,34.92 304.21,40.19 arc(304.42,41.22) 305,42.1 305.66,42.75 arc(306.09,43.4) 306.24,44.17 306.24,47.88 v1(306.2,47.92)
  Bottom w0.25: v1(303.61,33.73) 303.2,33.32 arc(302.87,33.11) 302.49,33.03 290.79,33.03 arc(290.4,33.11) 290.08,33.32 v1(289.5,33.9) ; v1(281.23,33.02) 281.23,32.87 arc(281.52,32.16) 282.23,31.87 282.87,31.87 arc(283.26,31.94) 283.58,32.16 285.03,33.61 arc(285.35,33.83) 285.73,33.9 v1(286.25,33.9) ; U1.12 305.49,48.84 arc(305.53,48.65) 305.63,48.49 v1(306.2,47.92) ; D1.2 12.73,47.25 arc(12.75,47.16) 12.81,47.07 12.88,47 arc(12.96,46.94) 13.06,46.92 14.59,46.92 arc(14.69,46.94) 14.77,47 14.84,47.07 arc(14.9,47.16) 14.92,47.25 ; D1#2.2 14.92,47.25 ; 14.92,47.25 arc(14.94,47.16) 14.99,47.07 15.07,47 arc(15.15,46.94) 15.24,46.92 243.2,46.92 243.44,46.92 243.67,46.9 243.91,46.87 244.14,46.83 244.37,46.78 244.6,46.72 244.83,46.64 245.05,46.56 245.26,46.46 245.48,46.35 245.68,46.24 245.88,46.11 246.08,45.97 246.26,45.83 246.44,45.67 246.61,45.51 246.79,45.34 246.96,45.18 247.14,44.99 arc(248.12,44.34) 249.27,44.11 282.16,44.11 v1(282.2,44.15)
